# Altium PCB OTC_LOCK_v1_0.PcbDoc (part 1 of 2) (continued)
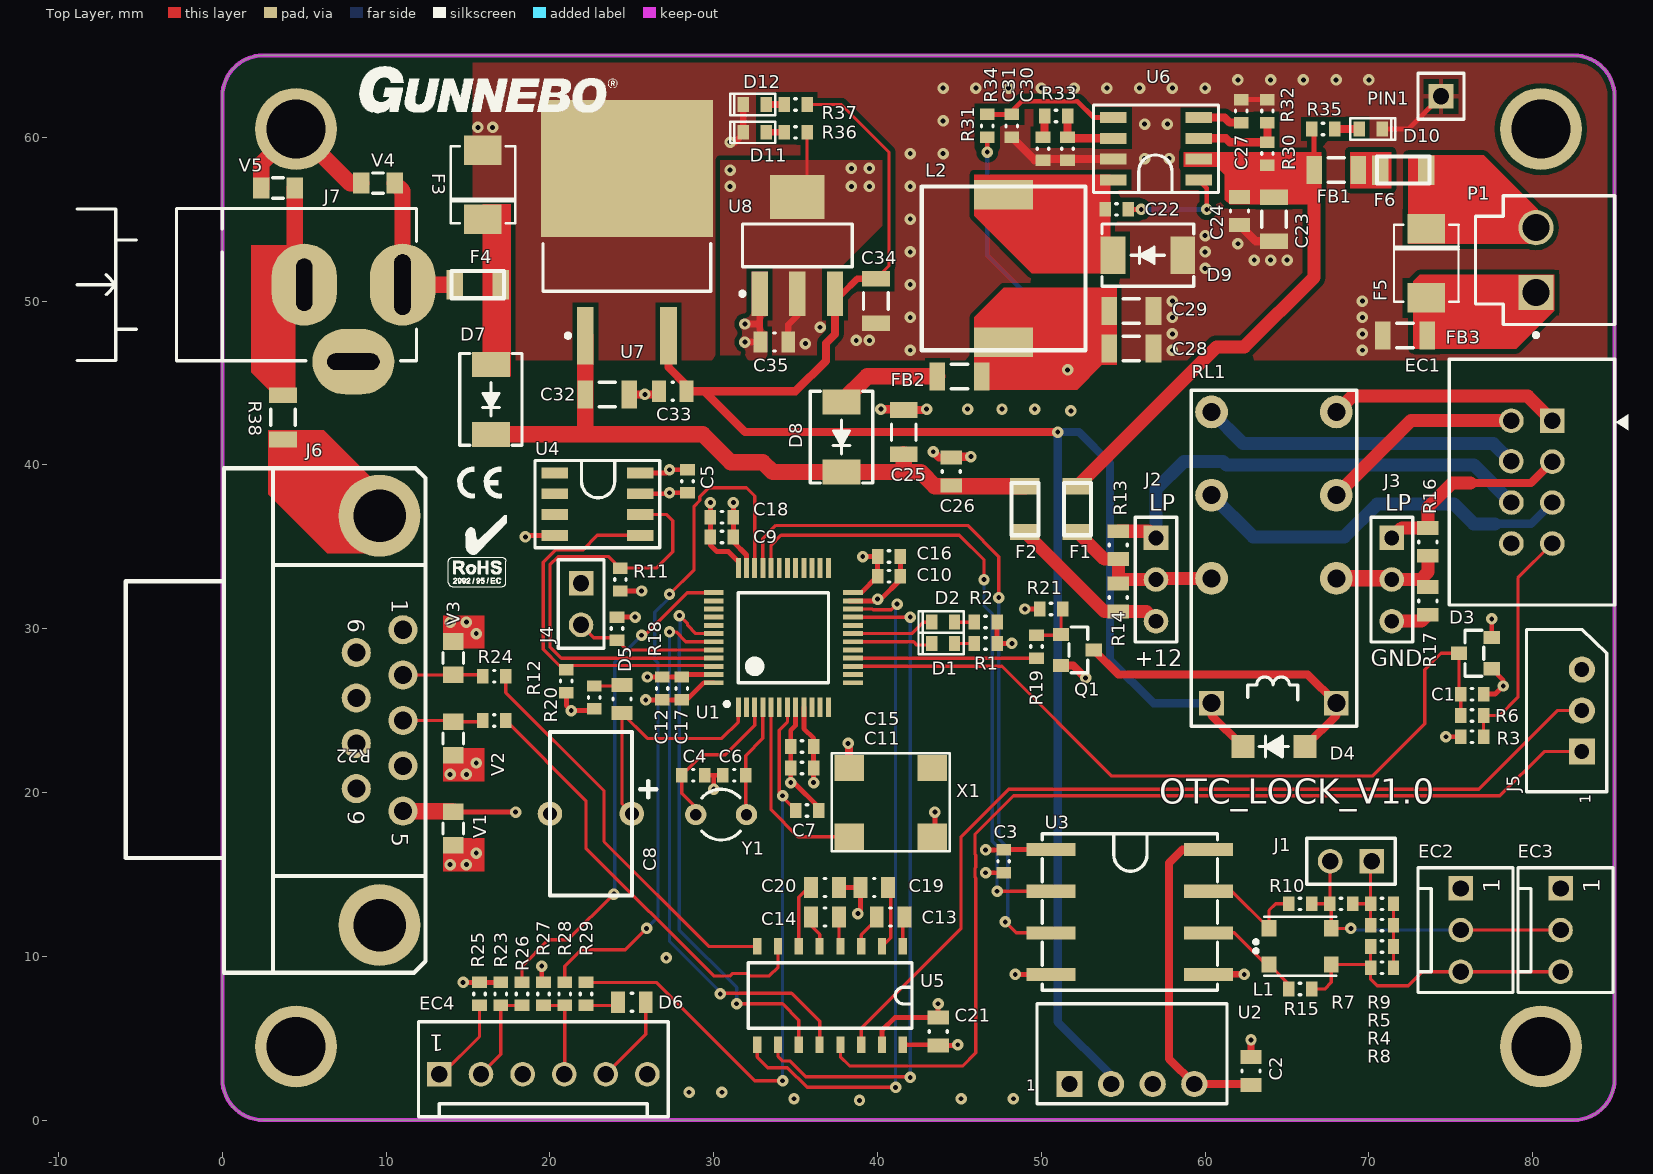
[diagram p0: Top Layer view]
## Footprints (in the part's own frame and the unit in brackets; to place one, negate y for a bottom-side part, rotate by r counter-clockwise, add the part's x,y. Pads: shape width x height; smd on the part's side, far side on the other; paste and mask are expansions set on the pad)
0603 [mm] "Chip Resistor, Body 1.6x0.8mm, IPC High Density"
  rect 0.7x0.9 smd: 1(-0.7,0) 2(0.7,0)
  silkscreen extent -0.05,-0.35 0.05,0.35, body extent -0.85,-0.47 0.85,0.47, height 0.6
0805 [mm] "Chip Resistor, Body 2.0x1.3mm, IPC High Density"
  rect 0.85x1.3 smd: 1(-0.85,0) 2(0.85,0)
  silkscreen extent -0.05,-0.55 0.05,0.55, body extent -1.1,-0.67 1.1,0.68, height 0.7
1206 [mm] "Chip Resistor, Body 3.2x1.6mm, IPC High Density"
  rect 0.95x1.7 smd: 1(-1.35,0) 2(1.35,0)
  silkscreen extent -0.5,-0.75 0.5,0.75, body extent -1.67,-0.87 1.67,0.87, height 0.75
1812_DLW [mm]
  rect 0.9x1 smd: 1(-1.9,1.1) 2(1.9,1.1) 3(1.9,-1.1) 4(-1.9,-1.1)
  silkscreen extent -2.8,-1.8 2.2,1.8, body extent -2.25,-1.6 2.25,1.6, height 2.61
CONEXCON-2545-2-03-1 [mm]
  rect 1.5x1.5 hole 1: 1(6.35,3.2)
  round 1.5 hole 1: 2(3.81,3.2) 3(1.27,3.2)
  silkscreen extent 0,0 7.62,5.8, body extent 0,0 7.62,5.8, height 11.71
CONEXCON-2545-2-06-1 [mm]
  rect 1.5x1.5 hole 1: 1(6.35,0.3)
  round 1.5 hole 1: 2(3.81,0.3) 3(1.27,0.3) 4(-1.27,0.3) 5(-3.81,0.3) 6(-6.35,0.3)
  silkscreen extent -7.62,-2.9 7.62,2.9
D2PAK [mm] "DPAK, 3-Leads, Body 10.24x9.35mm, Pitch 2.54mm"
  rect 3.504x1.016 smd: 1(-6.313,2.54) 3(-6.313,-2.54)
  rect 8.38x10.49 smd: 4(3.9,0)
  silkscreen extent -6.44,-5.12 -0.69,5.12, body extent -6.11,-5.13 8.09,5.13, height 4.75
DO-214AA [mm] "DO-214-AA/SMB; 2 C-Bend Leads; Body 5.3 x 3.6 mm, inc. leads (LxW)"
  rect 1.8x2.3 smd: 1(-2.108,0) 2(2.108,0)
  silkscreen extent -2.35,-1.97 2.35,1.97, body extent -2.79,-1.97 2.79,1.97, height 2.65
DUB_R_PDSO_G8 [mm]
  rect 3x0.8 smd: 1(-4.8,3.81) 2(-4.8,1.27) 3(-4.8,-1.27) 4(-4.8,-3.81) 5(4.8,-3.81) 6(4.8,-1.27) 7(4.8,1.27) 8(4.8,3.81)
  silkscreen extent -5.35,-4.77 5.35,4.77, body extent -5.25,-4.75 5.25,4.75, height 4.18
EECS0HD224V [mm]
  round 1.5 hole 0.85: 1(0,0) 2(5,0)
  silkscreen extent -1.5,-5 5,5
FCI_D09P33E6RV09LF [mil]
  round 70 hole 43.31: 1(274,56) 2(383,56) 3(492,56) 4(601,56) 5(710,56) 6(329,-56) 7(438,-56) 8(547,-56) 9(656,-56)
  round 196.85 hole 125.98: 10(0,0) 11(984,0)
  silkscreen extent -114,-610 1098,110, body extent -113,-620 1097,135, height 495
HDR1X3 [mm] "Connector; Header; 3 Position"
  rect 1.5x1.5 hole 0.9: 1(0,0)
  round 1.5 hole 0.9: 2(2.54,0) 3(5.08,0)
  silkscreen extent -1.27,-1.27 6.35,1.27
JST-B2P-VH(LF)(SN)_V [mm] "THD, 2-Leads, Body 8.5x7.86mm, Pitch 3.96mm"
  rect 2.15x2.15 hole 1.65: 1(-1.98,1.4)
  round 2.15 hole 1.65: 2(1.98,1.4)
  silkscreen extent -4.7,-3.4 3.93,5.1, body extent -3.93,-3.2 3.93,5.3, height 10.9
JST_XADSS_8 [mm]
  rect 1.5x1.5 hole 1: 1(3.75,-1.25)
  round 1.5 hole 1: 2(3.75,1.25) 3(1.25,-1.25) 4(1.27,1.27) 5(-1.25,-1.25) 6(-1.25,1.25) 7(-3.75,-1.25) 8(-3.75,1.25)
  silkscreen extent -7.5,-5.87 7.5,5.05, body extent -7.5,-5.05 7.5,5.05, height 10.1
JUMPER_2X1_2.54 [mm]
  rect 1.5x1.5 hole 1: 1(-1.27,0)
  round 1.5 hole 1: 2(1.27,0)
  silkscreen extent -2.7,-1.4 2.7,1.4, body extent -2.54,-1.27 2.54,1.27, height 8.51
LED0603G [mm] "LED 0603 GREEN"
  rect 0.7x0.9 smd: 1(-0.7,0) 2(0.7,0)
  silkscreen extent -1.25,-0.65 1.5,0.65, body extent -0.8,-0.4 0.8,0.4, height 0.61
MOLEX_MKS_19023 [mm] "Connector_3x1_0.7mm"
  rect 1.6x1.6 hole 0.9: 1(0,0)
  round 1.6 hole 0.9: 2(2.5,0) 3(5,0)
  silkscreen extent -2.45,-1.52 7.45,3.38, body extent -2.5,-1.85 7.5,3.05, height 5.91
MUS-0505 [mm]
  rect 1.6x1.6 hole 1: 1(-3.81,-1.85)
  round 1.6 hole 1: 2(-1.27,-1.85) 3(1.27,-1.85) 4(3.81,-1.85)
  silkscreen extent -5.8,-3.05 5.8,3.05, body extent -5.75,-3.02 5.75,3.03, height 7.71
Oscillator_7x5 [mm]
  rect 1.8x1.6 smd: 1(-2.54,-2.1) 2(2.54,-2.1) 3(2.54,2.1) 4(-2.54,2.1)
  silkscreen extent -3.6,-3 3.6,3, body extent -3.5,-2.5 3.5,2.5, height 1.37
PIN_Debug [mm]
  rect 1.5x1.5 hole 1: 1(0,0)
  silkscreen extent -1.4,-1.4 1.4,1.4, body extent -1.27,-1.22 1.27,1.22, height 10.3
POLYFUSE_1206L [mm]
  rect 1x1.8 smd: 1(-1.4,0) 2(1.4,0)
  silkscreen extent -1.6,-0.83 1.6,0.83, body extent -1.6,-0.83 1.6,0.83, height 1.43
POWER_JACK_5.5_2.1MM_NS_v1.1 [mm]
  oval 5x4 hole 1 slot 3.7 at 0 deg: 1(0,0)
  oval 5x4 hole 1 slot 3.2 at 0 deg: 2(0,6)
  oval 4x5 hole 1 slot 3.2 at 90 deg: 3(-4.7,3)
  silkscreen extent -4.65,-0.85 4.65,19.85, body extent -4.9,-0.7 4.5,13.7, height 11.02
R38 [mm] "Crystal, Thru-Hole; 2 Leads; Body 3.1 x 8.2 mm (Dia.xH)"
  round 1.3 hole 0.7: 1(0,1.55) 2(0,-1.55)
  silkscreen extent -1.55,-1.19 1.55,1.17
R0603 [mm] "Chip Resistor, Body 1.6x0.8mm, IPC High Density"
  rect 0.7x0.9 smd: 1(-0.7,0) 2(0.7,0)
  silkscreen extent -0.05,-0.35 0.05,0.35, body extent -0.85,-0.47 0.85,0.47, height 0.6
R0805 [mm] "Chip Resistor, Body 2.0x1.3mm, IPC High Density"
  rect 0.85x1.3 smd: 1(-0.85,0) 2(0.85,0)
  silkscreen extent -0.05,-0.55 0.05,0.55, body extent -1.1,-0.67 1.1,0.68, height 0.7
R1206 [mm] "Chip Resistor, Body 3.2x1.6mm, IPC High Density"
  rect 0.95x1.7 smd: 1(-1.35,0) 2(1.35,0)
  silkscreen extent -0.5,-0.75 0.5,0.75, body extent -1.67,-0.87 1.67,0.87, height 0.75
RL-OMRON-G5V-2-5VDC [mm]
  rect 1.5x1.5 hole 1.1: 1(-8.85,3.81) 16(-8.85,-3.81)
  round 2 hole 1.1: 4(-1.23,3.81) 6(3.85,3.81) 8(8.93,3.81) 9(8.93,-3.81) 11(3.85,-3.81) 13(-1.23,-3.81)
  silkscreen extent -10.25,-5.05 10.25,5.05, body extent -10.2,-5 10.2,5, height 11.43
SMB [mm]
  rect 1.52x2.3 smd: 1(-2.135,0) 2(2.135,0)
  round 0.8 on Mech3: PEGA(0,0)
  silkscreen extent -2.8,-1.9 2.8,1.9, body extent -2.79,-1.97 2.79,1.97, height 2.65
SO08 [mil]
  rect 64x26 smd: 1(-102.5,75) 2(-102.5,25) 3(-102.5,-25) 4(-102.5,-75) 5(102.5,-75) 6(102.5,-25) 7(102.5,25) 8(102.5,75)
  silkscreen extent -150,-105 150,105, body extent -118,-96 118,96, height 69
SOD123 [mm]
  rect 1.4x1.4 smd: 1(-1.9,0) 2(1.9,0)
  rect 1x1 on Mech3: PEGA(0,0)
  silkscreen extent -0.89,-0.64 0.89,0.64, body extent -1.95,-0.9 1.95,0.9, height 1.18
SOIC16 [mm]
  rect 1x0.5 smd: 1(-3,4.445) 2(-3,3.175) 3(-3,1.905) 4(-3,0.635) 5(-3,-0.635) 6(-3,-1.905) 7(-3,-3.175) 8(-3,-4.445) 9(3,-4.445) 10(3,-3.175) 11(3,-1.905) 12(3,-0.635) 13(3,0.635) 14(3,1.905) 15(3,3.175) 16(3,4.445)
  silkscreen extent -2,-5 2,5, body extent -3,-4.95 3,4.95, height 1.4
SOT23 [mm]
  rect 0.8x1 smd: 1(-0.95,-1) 2(0.95,-1) 3(0,1)
  round 0.8 on Mech3: PEGA(-1.397,0) PEGA(1.397,0)
  silkscreen extent -1.4,-0.51 1.4,0.64, body extent -1.5,-1.25 1.5,1.25, height 1.11
"SOT23 - RJ" [mm]
  rect 0.8x1 smd: D(0,1) G(-0.95,-1) S(0.95,-1)
  round 0.8 on Mech3: PEGA(-1.397,0) PEGA(1.397,0)
  silkscreen extent -1.4,-0.51 1.4,0.64, body extent -1.5,-1.25 1.5,1.25, height 1.11
SOT223_ [mm] "SOT223, 4-Leads, Body 6.5x3.5mm, Pitch 2.3mm, Lead Span 7mm, IPC Low Density"
  rect 2.7x1 smd: 1(-2.95,2.3) 2(-2.95,0) 3(-2.95,-2.3)
  rect 2.7x3.3 smd: 4(2.95,0)
  silkscreen extent -3.07,-3.35 1.3,3.47, body extent -3.48,-3.25 3.48,3.25, height 1.65
SRU1048-470Y [mm]
  rect 1.8x3.6 smd: 1(-4.5,0) 2(4.5,0)
  silkscreen extent -5,-5 5,5, body extent -4.3,-4.1 4.3,4.1, height 3.9
STM-LQFP48_N_3d [mm] "QFP, 48-Leads, Body 7x7mm, Pitch 0.5mm, IPC Medium Density"
  rect 1.2x0.3 smd: 1(-4.25,2.75) 2(-4.25,2.25) 3(-4.25,1.75) 4(-4.25,1.25) 5(-4.25,0.75) 6(-4.25,0.25) 7(-4.25,-0.25) 8(-4.25,-0.75) 9(-4.25,-1.25) 10(-4.25,-1.75) 11(-4.25,-2.25) 12(-4.25,-2.75) 25(4.25,-2.75) 26(4.25,-2.25) 27(4.25,-1.75) 28(4.25,-1.25) 29(4.25,-0.75) 30(4.25,-0.25) 31(4.25,0.25) 32(4.25,0.75) 33(4.25,1.25) 34(4.25,1.75) 35(4.25,2.25) 36(4.25,2.75)
  rect 0.3x1.2 smd: 13(-2.75,-4.25) 14(-2.25,-4.25) 15(-1.75,-4.25) 16(-1.25,-4.25) 17(-0.75,-4.25) 18(-0.25,-4.25) 19(0.25,-4.25) 20(0.75,-4.25) 21(1.25,-4.25) 22(1.75,-4.25) 23(2.25,-4.25) 24(2.75,-4.25) 37(2.75,4.25) 38(2.25,4.25) 39(1.75,4.25) 40(1.25,4.25) 41(0.75,4.25) 42(0.25,4.25) 43(-0.25,4.25) 44(-0.75,4.25) 45(-1.25,4.25) 46(-1.75,4.25) 47(-2.25,4.25) 48(-2.75,4.25)
  silkscreen extent -4.17,-2.75 2.75,3.57, body extent -4.57,-4.57 4.57,4.57, height 1.62
VC080526C580 [mm] "Chip Capacitor, 2-Leads, Body 2,00x1,25mm, IPC Medium Density"
  rect 1.02x1.27 smd: 1(-1.02,0) 2(1.02,0)
  silkscreen extent -0.32,-0.63 0.32,0.63, body extent -1,-0.62 1,0.63, height 1.25

## Part data
C1 C5 C7 C9 C10 C11 C12 C22: library part 6003071, "Capacitor", Codigo=6003071, DescripcionArticulo="COND. CERAMICO SMD 0603 100 NF X7R 50V 10%", LatestRevisionDate=17-Jul-2002, LatestRevisionNote="Re-released for DXP Platform.", PackageDescription="Radial Cap, Thru-Hole; 2 Leads; 0.3 in Pin Spacing", PackageReference=RAD-0.3, Published=8-Jun-2000, Publisher="Altium Limited", tipo=condensador, valor=100nF
C2 C33 C35: library part 6003114, "Capacitor", Codigo=6003114, DescripcionArticulo="COND. CERAMICO SMD 0805 10 UF 6.3V -10V", LatestRevisionDate=17-Jul-2002, LatestRevisionNote="Re-released for DXP Platform.", PackageDescription="Radial Cap, Thru-Hole; 2 Leads; 0.3 in Pin Spacing", PackageReference=RAD-0.3, Published=8-Jun-2000, Publisher="Altium Limited", tipo=condensador, valor="10 uF"
C3: library part 6003088, "Capacitor", Codigo=6003088, DescripcionArticulo="COND. CERAMICO SMD 0603 1 UF X5R 10V 10%", LatestRevisionDate=17-Jul-2002, LatestRevisionNote="Re-released for DXP Platform.", PackageDescription="Radial Cap, Thru-Hole; 2 Leads; 0.3 in Pin Spacing", PackageReference=RAD-0.3, Published=8-Jun-2000, Publisher="Altium Limited", tipo=condensador, valor="1 uF"
C4 C6: library part 6003068, "Capacitor", Codigo=6003068, DescripcionArticulo="COND. CERAMICO SMD 0603 10 PF X7R 50V", LatestRevisionDate=17-Jul-2002, LatestRevisionNote="Re-released for DXP Platform.", PackageDescription="Radial Cap, Thru-Hole; 2 Leads; 0.3 in Pin Spacing", PackageReference=RAD-0.3, Published=8-Jun-2000, Publisher="Altium Limited", tipo=condensador, valor=10pF
C8: library part 3023047, "Polarized Capacitor (Axial)", Codigo=3023047, DescripcionArticulo="CONDENSADOR EECS0HD224V 0,22F 5,5 V", LatestRevisionDate=17-Jul-2002, LatestRevisionNote="Re-released for DXP Platform.", PackageDescription="Polarized Capacitor; 2 Leads", PackageReference=POLAR0.8, Published=8-Jun-2000, Publisher="Altium Limited", tipo=condensador, valor=0,22F
C13 C14 C19 C20: library part 6003055, "Capacitor", Codigo=6003055, DescripcionArticulo="COND. CERAMICO SMD 0805 470NF X7R 50V 10%", LatestRevisionDate=17-Jul-2002, LatestRevisionNote="Re-released for DXP Platform.", PackageDescription="Radial Cap, Thru-Hole; 2 Leads; 0.3 in Pin Spacing", PackageReference=RAD-0.3, Published=8-Jun-2000, Publisher="Altium Limited", tipo=condensador, valor=470nF
C15 C16 C17 C18 C27 C31: library part 6003067, "Capacitor", Codigo=6003067, DescripcionArticulo="COND. CERAMICO SMD 0603 10 NF X7R 50V 10%", LatestRevisionDate=17-Jul-2002, LatestRevisionNote="Re-released for DXP Platform.", PackageDescription="Radial Cap, Thru-Hole; 2 Leads; 0.3 in Pin Spacing", PackageReference=RAD-0.3, Published=8-Jun-2000, Publisher="Altium Limited", tipo=condensador
  C15 C16 C17 C18: valor="10 nF"
  C27 C31: valor=10n
C21 C24 C26: library part 6003010, "Capacitor", Codigo=6003010, DescripcionArticulo="COND. CERAMICO SMD 0805 100 NF 50V 10%", LatestRevisionDate=17-Jul-2002, LatestRevisionNote="Re-released for DXP Platform.", PackageDescription="Radial Cap, Thru-Hole; 2 Leads; 0.3 in Pin Spacing", PackageReference=RAD-0.3, Published=8-Jun-2000, Publisher="Altium Limited", tipo=condensador, valor="100 nF"
C23 C25 C28 C29 C32 C34: library part 6003031, "Capacitor", Codigo=6003031, DescripcionArticulo="COND. CERAMICO SMD 1206 10 UF X5R 35V 10%", LatestRevisionDate=17-Jul-2002, LatestRevisionNote="Re-released for DXP Platform.", PackageDescription="Radial Cap, Thru-Hole; 2 Leads; 0.3 in Pin Spacing", PackageReference=RAD-0.3, Published=8-Jun-2000, Publisher="Altium Limited", tipo=condensador
  C23 C28 C29 C32 C34: valor="10 uF"
  C25: valor=10uF
C30: library part 6003092, "Capacitor", Codigo=6003092, DescripcionArticulo="COND. CERAMICO SMD 0603 100 PF X5R 50V 10%", LatestRevisionDate=17-Jul-2002, LatestRevisionNote="Re-released for DXP Platform.", PackageDescription="Radial Cap, Thru-Hole; 2 Leads; 0.3 in Pin Spacing", PackageReference=RAD-0.3, Published=8-Jun-2000, Publisher="Altium Limited", tipo=condensador, valor=100p
D1 D2 D10 D11 D12: library part 6006022, "Typical RED, GREEN, YELLOW, AMBER GaAs LED", Codigo=6006022, DescripcionArticulo="DIODO LED VERDE SML-LX0603GW 1.6X0.8X0.6", Escandallo=Sí, LatestRevisionDate=17-Jul-2002, LatestRevisionNote="Re-released for DXP Platform.", PackageDescription="SM LED; 2 Flat Leads", PackageReference=3.2X1.6X1.1, PackageVersion=Feb-2002, Published=8-Jun-2000, Publisher="Altium Limited", tipo=diodo, valor=LED_G
D3: library part 6006051, "High Current Density Surface Mount Schottky Rectifier", Codigo=6006051, DescripcionArticulo="DIODO SMD BAT54S Schottky 30V,200mA VISHAY", Escandallo=Sí, tipo=diodo, valor=BAT54S
D4: library part LL4148_(06006001), "DIODE SWITCH,100V,150MA,SOD123", Codigo=06006001, Sallen Ref=06006001
D5 D6: library part 6006002, "Schottky Diode", Code_JEDEC=DO-214-AA, Codigo=6006002, DescripcionArticulo="DIODO SMD TMMBAT48 SCHORTKY", Escandallo=Sí, LatestRevisionDate=17-Jul-2002, LatestRevisionNote="Re-released for DXP Platform.", PackageDescription="DO-214-AA/SMB; 2 C-Bend Leads; Body 5.3 x 3.6 mm, inc. leads (LxW)", PackageReference=SMB, Published=8-Jun-2000, Publisher="Altium Limited", tipo=diodo, valor=BAT48
D7 D8 D9: library part 6006033, "Schottky Diode", Code_JEDEC=DO-214-AA, Codigo=6006033, Descripcion2Articulo=/ONsemi/Vishay/Farchild/TaiwanS, DescripcionArticulo="DIODO SS26 SCHOTTKY CASE: SMB  2AMP 60V", Escandallo=Sí, LatestRevisionDate=17-Jul-2002, LatestRevisionNote="Re-released for DXP Platform.", PackageDescription="DO-214-AA/SMB; 2 C-Bend Leads; Body 5.3 x 3.6 mm, inc. leads (LxW)", PackageReference=SMB, Published=8-Jun-2000, Publisher="Altium Limited", tipo=diodo, valor=SS26
EC1: library part Conn_JST_XADSS_8_vias, "Conector 8(2x4) vias (3A)", Part Number=-, Codigo=05100217, Sallen Ref=05100217
EC2 EC3: library part 5100106, "2.54mm pitch Terminal Block 3P", Part Number=Conexcon-2545-2-03-1, Codigo=5100106, DescripcionArticulo="CON.RECTO MACHO 3P SERIE 2545 PASO 2.54", Escandallo=Sí, Sallen Ref=05100106, tipo=conector, valor=RECTO3P
EC4: library part 5100107, "2.54mm pitch Terminal Block 6P", Codigo=5100107, DescripcionArticulo="CON.RECTO MACHO 6P SERIE 2545 PASO 2.54", Escandallo=Sí, Part Number=Conexcon-2545-2-06-1, Sallen Ref=05100107, tipo=conector, valor=RECTO6P
F1 F2 F4 F6: library part POLYFUSE_1206L050/24, www.digikey.com=507-1803-1-ND
F3 F5: library part SMBJ12CA, "TVS 12V 600W Bidir SMD", Fabricante=Littelfuse, Montaje=-, Referencia=SMBJ12CA
FB1 FB2 FB3: library part 4039004, "Chip Ferrite Bead for Power Lines, 33 Ohm, 6000 mA, , -55 to 125 degC, 3.2 x 1.6 x 1.3 mm SMD, Tape and Reel", Codigo=4039004, DescripcionArticulo="FERRITA ILHB1206ER121V 6A-0.02", Escandallo=Sí, tipo=ferrita, valor=ILHB1206ER121V
J1 J4: library part 5190140, "Jumper 2pin P=2.54mm", Part Number=-, Codigo=5190140, DescripcionArticulo="JUMPER PARA POSTE AISLADO- PASO: 2.54MM (CO 3005)", Escandallo=Sí, Sallen Ref=05190140, tipo=conector, valor=JMP
J2 J3: library part 5190120, "Header, 3-Pin", Codigo=5190120, Descripcion2Articulo="Pin Strip Header 1x3", DescripcionArticulo="BARRA TIRA POSTE C.I M+M 1X3 RECTA paso 2.54mm", Escandallo=Sí, LatestRevisionDate=17-Jul-2002, LatestRevisionNote="Re-released for DXP Platform.", Publisher="Altium Limited"
J5: library part 5100079, "Molex_MKS_19023", Codigo=5100079, DescripcionArticulo="CONEC.MACHO 3P STOCKO MKS19023", Escandallo=Sí, Sallen Ref=05100079, valor=MOLEX_MKS_19023
J6: library part 5110018, "DB9 CONN RIGHT ANGLE", Part Number="ASSMANN A-DS09A/KG-T2", Part Number Aux="FCI D09P33E6RV09LF", ATLStockNo1=4500.xxxx, Codigo=5110018, DescripcionArticulo="CONEC. DB9  ACOD.  C.I REF: CO 2359 M", Escandallo=Sí, Sallen Ref=05110018, tipo=conector, valor=A-DS09A/KG-T2_FCI
J7: library part PJ-002AH_v1.1, "CONN PWR JACK 2.1X5.5MM HIGH CUR", Color=Black, Current Rating=5A, Manufacturer="CUI Inc", Operating Temperature="-25°C ~ 85°C", Supplier Part Number=CP-002AH-ND, Voltage - Rated=24VDC, .Checked PCB=MM, .Checked SCH=MM, .Creator=MM, Category="Connectors, Interconnects", ComponentLink1Description=http://products.cui.com/GetSpecForDigiKey.aspx?MFGNum=PJ-002AH, ComponentLink1URL=http://products.cui.com/GetSpecForDigiKey.aspx?MFGNum=PJ-002AH, Connector Type=Jack, Contact Material="Copper Alloy", Contact Material - Plating=Nickel, Family="Barrel - Power", Features=-, Gender=Male, Housing Color=Black, Housing Material=Thermoplastic, Internal Switch(s)="Single Switch, Normally Closed", Manufacturer Part Number=PJ-002AH, Mating connector="2.1mm ID, 5.5mm OD", Mounting Type="Through Hole, Right Angle", Number of Positions/Contacts="2 Conductors, 3 Contacts", Plug/Mating Plug Diameter="2.1mm ID, 5.5mm OD", Price 1k [$]=0.23625, Pricing 1="1=1.01, 10=0.704, 100=0.4724, 500=0.3819, 1000=0.3417, 2500=0.27135 (USD)", RoHS="RoHS Compliant", Shielding=Unshielded, Stock 1=138933, Supplier=Digikey, Supplier 1=Digi-Key, Supplier Part Number 1=CP-002AH-ND, Termination="Solder Eyelet(s)", www.digikey.com=CP-002AH-ND
L1: library part 6012027, "Bobina Common mode 51uH 230mA 1.0Ohm SMD 1812 /Murata", Codigo=6012027, Descripcion2Articulo="DLW43SH510XK2L MURATA", DescripcionArticulo="DLW43SH510XK2L SMD Common Mode Choke 1812", Escandallo=Sí, Mfg1_PN=DLW43SH510XK2, Mfg2=Murata, Sallen Ref=06012027, tipo=bobina, valor=DLW43SH510XK2L
L2: library part SRU1048-470Y, "SRU1048-470Y", www.digikey.com=SRU1048-470YCT-ND
P1: library part 5110017, "Male Header, Pitch 3.96 mm, 1 x 2 Position, Height 10.9 mm, Tail Length 3.7 mm, -25 to 85 degC, RoHS, Bulk", Capacitance="27 pF", Case/Package=0603, Case Code (Metric)=1608, Max Operating Temperature=125degC, Min Operating Temperature=-55degC, Package Quantity=4000, Resistance="100000000000 Ohm", Tolerance=5%, Type (Capacitors)=C0G, Voltage Rating="50 V", Case Code (Imperial)=0603, Codigo=5110017, ComponentLink1Description="Manufacturer URL", ComponentLink1URL=http://www.jst.com/home2.html, ComponentLink2Description=Datasheet, ComponentLink2URL=http://www.jst-mfg.com/product/pdf/eng/eVH.pdf, DatasheetVersion=May-16, DescripcionArticulo="CONEC. MACHO RECTO 2 VIA C.I PASO 3,96MM", Escandallo=Sí, Height="0.8 mm", Length="1.6 mm", Mount="Surface Mount", PackageDescription="Male Header, Pitch 3.96 mm, 1 x 2 Position, Height 10.9 mm, Tail Length 3.7 mm", PackageReference=B2P-VH(LF)(SN), Packaging="Tape and Reel", Pins=2, Radiation Hardening=No, REACH SVHC="No SVHC", RoHSCompliant=True, tipo=conector, valor=B2P-VH(LF)(SN), Voltage Rating (DC)="50 V", Width="0.8 mm"
PIN1: library part Pin_Debug, "PIN DE NET PUNTUAL /Pin Strip", Codigo=05190126, Sallen Ref=05190126
Q1: "N-Channel Logic Level Enhancement Mode Field Effect Transistor", Codigo=06004021, Part Number=BSS138-SOT23, Sallen Ref=06004021
R1 R2 R6 R37: library part 6005080, "Resistor", Codigo=6005080, DescripcionArticulo="RESISTENCIA SMD 0603 330 OHM, 1% 0.1W", LatestRevisionDate=17-Jul-2002, LatestRevisionNote="Re-released for DXP Platform.", PackageDescription="Axial Device, Thru-Hole; 2 Leads; 0.3 in Pin Spacing", PackageReference=AXIAL-0.3, Published=8-Jun-2000, Publisher="Altium Limited", tipo=resistencia, valor="330 OHM"
R3 R21 R35: library part 6005096, "Resistor", Codigo=6005096, DescripcionArticulo="RESISTENCIA SMD 0603 4K7, 1% 0.1W", LatestRevisionDate=17-Jul-2002, LatestRevisionNote="Re-released for DXP Platform.", PackageDescription="Axial Device, Thru-Hole; 2 Leads; 0.3 in Pin Spacing", PackageReference=AXIAL-0.3, Published=8-Jun-2000, Publisher="Altium Limited", tipo=resistencia, valor=4K7
R4 R5 R8 R9: library part 6005086, "Resistor", Codigo=6005086, DescripcionArticulo="RESISTENCIA SMD 0603 120 OHM, 1% 0.1W", LatestRevisionDate=17-Jul-2002, LatestRevisionNote="Re-released for DXP Platform.", PackageDescription="Axial Device, Thru-Hole; 2 Leads; 0.3 in Pin Spacing", PackageReference=AXIAL-0.3, Published=8-Jun-2000, Publisher="Altium Limited", tipo=resistencia, valor="120 OHM"
R7 R10 R15 R25: library part 6005124, "Resistor", Codigo=6005124, DescripcionArticulo="RESISTENCIA SMD 0603 0 OHM, 1% 0.1W", LatestRevisionDate=17-Jul-2002, LatestRevisionNote="Re-released for DXP Platform.", PackageDescription="Axial Device, Thru-Hole; 2 Leads; 0.3 in Pin Spacing", PackageReference=AXIAL-0.3, Published=8-Jun-2000, Publisher="Altium Limited", tipo=resistencia, valor="0 OHM"
R11 R12: library part 6005073, "Resistor", Codigo=6005073, DescripcionArticulo="RESISTENCIA SMD 0603 2K2, 1% 0.1W", LatestRevisionDate=17-Jul-2002, LatestRevisionNote="Re-released for DXP Platform.", PackageDescription="Axial Device, Thru-Hole; 2 Leads; 0.3 in Pin Spacing", PackageReference=AXIAL-0.3, Published=8-Jun-2000, Publisher="Altium Limited", tipo=resistencia, valor=2K2
R13 R14 R16 R17: library part 6005227, "Resistor", Codigo=6005227, DescripcionArticulo="RESISTENCIA SMD 0805 0 OHM, 1% 0.1W", LatestRevisionDate=17-Jul-2002, LatestRevisionNote="Re-released for DXP Platform.", PackageDescription="Axial Device, Thru-Hole; 2 Leads; 0.3 in Pin Spacing", PackageReference=AXIAL-0.3, Published=8-Jun-2000, Publisher="Altium Limited", tipo=resistencia, valor="0 OHM"
R18 R31: library part 6005102, "Resistor", Codigo=6005102, DescripcionArticulo="RESISTENCIA SMD 0603 10 K, 1%", LatestRevisionDate=17-Jul-2002, LatestRevisionNote="Re-released for DXP Platform.", PackageDescription="Axial Device, Thru-Hole; 2 Leads; 0.3 in Pin Spacing", PackageReference=AXIAL-0.3, Published=8-Jun-2000, Publisher="Altium Limited", tipo=resistencia, valor="10 K"
R19 R22 R24 R26 R28: library part 6005074, "Resistor", Codigo=6005074, DescripcionArticulo="RESISTENCIA SMD 0603 33 OHM, 1% 0.1W", LatestRevisionDate=17-Jul-2002, LatestRevisionNote="Re-released for DXP Platform.", PackageDescription="Axial Device, Thru-Hole; 2 Leads; 0.3 in Pin Spacing", PackageReference=AXIAL-0.3, Published=8-Jun-2000, Publisher="Altium Limited", tipo=resistencia, valor="33 OHM"
R20: library part 6005087, "Resistor", Codigo=6005087, DescripcionArticulo="RESISTENCIA SMD 0603 150 OHM, 1% 0.1W", LatestRevisionDate=17-Jul-2002, LatestRevisionNote="Re-released for DXP Platform.", PackageDescription="Axial Device, Thru-Hole; 2 Leads; 0.3 in Pin Spacing", PackageReference=AXIAL-0.3, Published=8-Jun-2000, Publisher="Altium Limited", tipo=resistencia, valor="150 OHM"
R23 R27: library part 6005075, "Resistor", Codigo=6005075, DescripcionArticulo="RESISTENCIA SMD 0603 100 K, 1%", LatestRevisionDate=17-Jul-2002, LatestRevisionNote="Re-released for DXP Platform.", PackageDescription="Axial Device, Thru-Hole; 2 Leads; 0.3 in Pin Spacing", PackageReference=AXIAL-0.3, Published=8-Jun-2000, Publisher="Altium Limited", tipo=resistencia, valor="100 K"
R29: library part 6005111, "Resistor", Codigo=6005111, DescripcionArticulo="RESISTENCIA SMD 0603 1 K, 1% 0.1W", LatestRevisionDate=17-Jul-2002, LatestRevisionNote="Re-released for DXP Platform.", PackageDescription="Axial Device, Thru-Hole; 2 Leads; 0.3 in Pin Spacing", PackageReference=AXIAL-0.3, Published=8-Jun-2000, Publisher="Altium Limited", tipo=resistencia, valor="1 K"
R30: library part 6005109, "Resistor", Codigo=6005109, DescripcionArticulo="RESISTENCIA SMD 0603 150 K, 1% 0.1W", LatestRevisionDate=17-Jul-2002, LatestRevisionNote="Re-released for DXP Platform.", PackageDescription="Axial Device, Thru-Hole; 2 Leads; 0.3 in Pin Spacing", PackageReference=AXIAL-0.3, Published=8-Jun-2000, Publisher="Altium Limited", tipo=resistencia, valor="150 K"
R32 R33: library part 6005123, "Resistor", Codigo=6005123, DescripcionArticulo="RESISTENCIA SMD 0603 16 K, 1% 0.1W", LatestRevisionDate=17-Jul-2002, LatestRevisionNote="Re-released for DXP Platform.", PackageDescription="Axial Device, Thru-Hole; 2 Leads; 0.3 in Pin Spacing", PackageReference=AXIAL-0.3, Published=8-Jun-2000, Publisher="Altium Limited", tipo=resistencia, valor="16 K"
R34: library part 6005131, "Resistor", Codigo=6005131, DescripcionArticulo="RESISTENCIA SMD 0603 750 OHM, 1% 0.1W", LatestRevisionDate=17-Jul-2002, LatestRevisionNote="Re-released for DXP Platform.", PackageDescription="Axial Device, Thru-Hole; 2 Leads; 0.3 in Pin Spacing", PackageReference=AXIAL-0.3, Published=8-Jun-2000, Publisher="Altium Limited", tipo=resistencia, valor="750 OHM"
R36: library part 6005113, "Resistor", Codigo=6005113, DescripcionArticulo="RESISTENCIA SMD 0603 1K2, 1%  0.1W", LatestRevisionDate=17-Jul-2002, LatestRevisionNote="Re-released for DXP Platform.", PackageDescription="Axial Device, Thru-Hole; 2 Leads; 0.3 in Pin Spacing", PackageReference=AXIAL-0.3, Published=8-Jun-2000, Publisher="Altium Limited", tipo=resistencia, valor=1K2
R38: library part 6005142, "Resistor", Codigo=6005142, DescripcionArticulo="RESISTENCIA SMD 1206 0 OHM, 1%", LatestRevisionDate=17-Jul-2002, LatestRevisionNote="Re-released for DXP Platform.", PackageDescription="Axial Device, Thru-Hole; 2 Leads; 0.3 in Pin Spacing", PackageReference=AXIAL-0.3, Published=8-Jun-2000, Publisher="Altium Limited", tipo=resistencia, valor="0 OHM"
RL1: "Omrom Relay G5V-2-5VDC", Codigo=05032015, Sallen Ref=05032015
U1: library part 4021038, Codigo=4021038, DescripcionArticulo="MICRO STM32F072CBT7 LQFP48", Escandallo=Sí, tipo=integrado, valor=STM32F072CBT7
U2: library part 4007001, "Convertidor DC/DC isolated 1W 5v/5v 1.8E DANUBE (eQ XpPower IE0505S)", Part Number=-, Codigo=4007001, DescripcionArticulo="CONVERTIDOR DC/DC 1W 5V/12V 1.8 MUS-0512", Escandallo=Sí, Sallen Ref=04007002, tipo=integrado, valor=MUS-0505
U3: library part 6001176, "CAN Transceiver Isolated 3-5vcc (-55º-105ºC)SOP8-DIP", Part Number=-, Codigo=6001176, DescripcionArticulo="CAN TRANSCEIVER ISO1050DU SOP8-DIP", Escandallo=Sí, Sallen Ref=06001176, tipo=integrado, valor=ISO1050DU
U4: library part 6001076, Codigo=6001076, DescripcionArticulo="CIRCUITO INTEGRADO SMD M24C16 WMN6TP SOIC8P", Escandallo=Sí, valor=M24C16
U5: library part 6001091, Codigo=6001091, DescripcionArticulo="CIRCUITO INTEGRADO SMD MAX3232CSE", Escandallo=Sí, tipo=integrado, valor=MAX3232
U6: "2A, 28V INPUT, STEP DOWN SWIFT™ DC/DC CONVERTER WITH ECO-MODE", Part Number="TEXAS TPS54231D", Codigo=06001119, PROVIDER=ISEE, Sallen Ref=06001119
U7: library part 6004008, Codigo=6004008, DescripcionArticulo="TRANSISTOR SMD MC78M05CDTRK", Escandallo=Sí
U8: library part 6001155, "800mA Low-Dropout Linear Regulator, 4-pin SOT-223, Pb-Free", Manufacturer="National Semiconductor", PackageTopMarking=XYTT*N05B, PowerWise=N, Code_IPC=SOT223-4, Code_JEDEC=TO-261-AA, Codigo=6001155, ComponentLink1Description="Manufacturer URL", ComponentLink1URL=http://www.national.com/, ComponentLink2Description="LM1117 Datasheet", ComponentLink2URL=http://www.national.com/ds/LM/LM1117.pdf, ComponentLink3Description="LM1117 Web Page", ComponentLink3URL=http://www.national.com/pf/LM/LM1117.html, ComponentLink4Description="MP04A Package Page", ComponentLink4URL=http://www.national.com/packaging/folders/mp04a.html, CompType="LDO IC", DatasheetVersion=Apr-2006, Descripcion2Articulo="Case Style:SOT-223", DescripcionArticulo="IC SMD  LM1117IMP-3.3/NOPB - V REG, LINEAR, 3.3V", Escandallo=Sí, High-Reliability=Y, PackageDescription="Molded SOT-223, 6.50 x 3.56 x 1.6mm Body, 4 Lead, 2.3mm Pitch", PackageReference=MP04A, PackageVersion="revB, Apr-2003", PartNumber=LM1117IMPX-3.3/NOPB, PinCount=4, RevisionNote="SCH symbol layout adjusted", RoHS=Y, tipo=integrado, valor=LM1117IMPX-3.3/NOPB
V1 V2 V3 V4 V5: "Varistor (Voltage-Sensitive Resistor)", www.digikey.com=478-2514-6-ND
X1: library part OSC7X5_4P3.3-24MHZ, "Oscillator 7x5mm 24Mhz 3.3v 4p s73305T-24 //Aker-usa", Part Number=-, Codigo=04027021, Part Type=Oscillator, Sallen Ref=04027021
Y1: "Crystal Oscillator", LatestRevisionDate=17-Jul-2002, LatestRevisionNote="Re-released for DXP Platform.", PackageDescription="Crystal, Thru-Hole; 2 Leads; Body 3.1 x 8.2 mm (Dia.xH)", PackageReference=R38, Published=8-Jun-2000, Publisher="Altium Limited"

## Free pads (board coordinates)
  round 5 hole 3.6: ""(4.5,4.5) ""(4.5,60.5) ""(80.5,4.5) ""(80.5,60.5)

## Via types
v1: diameter 0.7, hole 0.3, Top Layer to Bottom Layer, 140 vias

## Nets (pads, with @x,y where several pads share a name; then routed paths per layer and width w, separated by ;. In a path a pad name is that pad's centre, name@x,y a point inside that pad or via, vN(x,y) a via of type N, cw(c..) or ccw(c..) an arc to the next point about the centre after c; other vN are vias at no path point)
12V: D8.1 FB2.2 | length 6.5
  Top Layer w1: D8.1@37.8,43.835 39.365,45.4 FB2.2@43.65,45.4
+3V3: C3.1 C5.2 C9.2 C10.2 C11.2 C12.2 C15.2 C16.2 C17.2 C18.2 C21.1 C35.2 D3.2 J4.1 R1.2 R2.2 R3.2 R11.1 R12.1 R20.1 R23.2 R25.1 R27.2 R36.2 U1.9 U1.24 U1.36 U1.48 U3.1 U4.8 U5.16 U8.2 U8.4 X1.4 | length 49.4
  Top Layer w0.2: U8.4@35.1,56.35 35.7,56.95 35.7,59.5 R36.2@35.7,60.3
  Top Layer w0.3: v1(14.7,8.4) R25.1@15.7,8.4 R23.2@17,8.4 ; v1(19.5,9.4) 19.5,8.5 R27.2@19.6,8.4 ; R12.1@21,26.1 21,25.3 v1(21.3,25) 22.6,25 R20.1@22.7,25.1 ; R11.1@24.3,32.3 v1(25.6,32.3) ; U4.8@25.504,39.505 27.105,39.505 v1(27.3,39.7) C5.2@28.4,39.7 ; v1(25.85,25.65) C12.2@26.85,25.65 C17.2@28.05,25.65 28.35,25.65 29.4,26.7 U1.48@30,26.7 ; v1(29.8,37.7) C18.2@29.8,36.8 C9.2@29.8,35.6 29.8,35.1 30.2,34.7 30.9,34.7 31.5,34.1 U1.36@31.5,33.7 ; U1.9@35.5,25.2 35.5,23.9 36.1,23.3 C15.2@36.1,22.8 C11.2@36.1,21.5 v1(36.1,20.6) ; U1.24@38.5,32.2 39,32.2 C10.2@40,33.2 C16.2@40,34.4 v1(39.1,34.4) ; U5.16@41.545,4.6 43.65,4.6 C21.1@43.7,4.55 44.85,4.55 v1(44.9,4.6) ; X1.4@43.34,17.3 43.5,17.46 v1(43.5,18.8) ; v1(46.6,16.5) C3.1@47.7,16.5 47.71,16.51 U3.1@50.6,16.51 ; R2.2@47.3,30.4 R1.2@47.3,29.1 v1(48.2,29.1) ; v1(74.7,23.4) R3.2@75.6,23.4 ; D3.2@77.5,29.45 v1(77.5,30.6)
  Top Layer w0.4: C35.2@34.55,47.5 34.55,48.55 35.1,49.1 U8.2@35.1,50.45
  other v1: 35.6,47.4 36.5,48.4 31,57 38.4,57 39.5,57 31,58 38.4,58.1 39.5,58.1
+5V: C33.2 C34.2 D4.2 R37.2 RL1.1 U2.2 U7.3 U8.3 | length 125.1
  Top Layer w0.2: R37.2@35.7,62 37.8,62 40.7,59.1 40.7,52.15 C34.2@39.9,51.35
  Top Layer w0.4: U8.3@37.4,50.45 37.85,50.45 38.75,51.35 C34.2@39.9,51.35
  Top Layer w0.5: U7.3@27.24,47.887 27.24,45.96 28.35,44.85 C33.2@28.35,44.5 29.4,44.5 ; U8.3@37.4,50.45 37.4,47.975 36.85,47.425 36.85,46.35 35,44.5 29.4,44.5 ; v1(51,42) 31.9,42 29.4,44.5 ; RL1.1@60.39,25.45 60.39,24.71 D4.2@62.3,22.8
  Bottom Layer w0.5: U2.2@54.26,2.2 54.26,2.74 51,6 v1(51,42) 52.3,42 54.2,40.1 54.2,28.1 56.85,25.45 RL1.1@60.39,25.45
+5VCAN: C2.1 U2.4 U3.8 | length 20.4
  Top Layer w0.5: U3.8@60.2,16.51 58.61,16.51 57.8,15.7 57.8,3.74 U2.4@59.34,2.2 62.75,2.2 C2.1@62.8,2.15
+12V: C25.1 C26.2 C32.2 D7.2 D8.2 F2.2 U7.1 | length 41.1
  Top Layer w1: D7.2@16.4,41.865 22.1,41.865 ; U7.1@22.16,47.887 22.16,44.31 C32.2@22.15,44.3 22.15,41.915 22.1,41.865 ; C25.1@41.6,40.65 41.6,39.765 41.4,39.565 ; F2.2@49,38.7 43.5,38.7 42.635,39.565 41.4,39.565 ; 22.1,41.865 29.335,41.865 31.035,40.165 33,40.165 33.6,39.565 D8.2@37.8,39.565 41.4,39.565
+24V: C23.2 C24.2 F1.2 FB1.2 R30.2 R35.2 U6.2 | length 28.8
  Top Layer w0.3: R35.2@66.5,60.5 66.65,60.35 FB1.2@66.65,58
  Top Layer w0.8: F1.2@52.2,38.7 60.7,47.2 62.4,47.2 66.65,51.45 FB1.2@66.65,58
CAN_RX: U1.32 U3.2 | length 39.1
  Top Layer w0.2: U1.32@33.5,33.7 33.5,35.1 34.1,35.7 45,35.7 46.5,34.2 v1(46.5,33) ; v1(47.3,13.97) U3.2@50.6,13.97
  Bottom Layer w0.2: v1(46.5,33) 46.5,31.4 47,30.9 47,17.019 47.3,16.719 v1(47.3,13.97)
CAN_TX: U1.33 U3.3 | length 43
  Top Layer w0.2: U1.33@33,33.7 33,35.5 33.8,36.3 45.5,36.3 47.4,34.4 v1(47.4,31.9) ; v1(47.8,12.1) 48.47,11.43 U3.3@50.6,11.43
  Bottom Layer w0.2: v1(47.4,31.9) 47.4,17.185 47.95,16.635 47.95,12.25 v1(47.8,12.1)